# Allegro board 20250806_UNOQ.brd (continued)
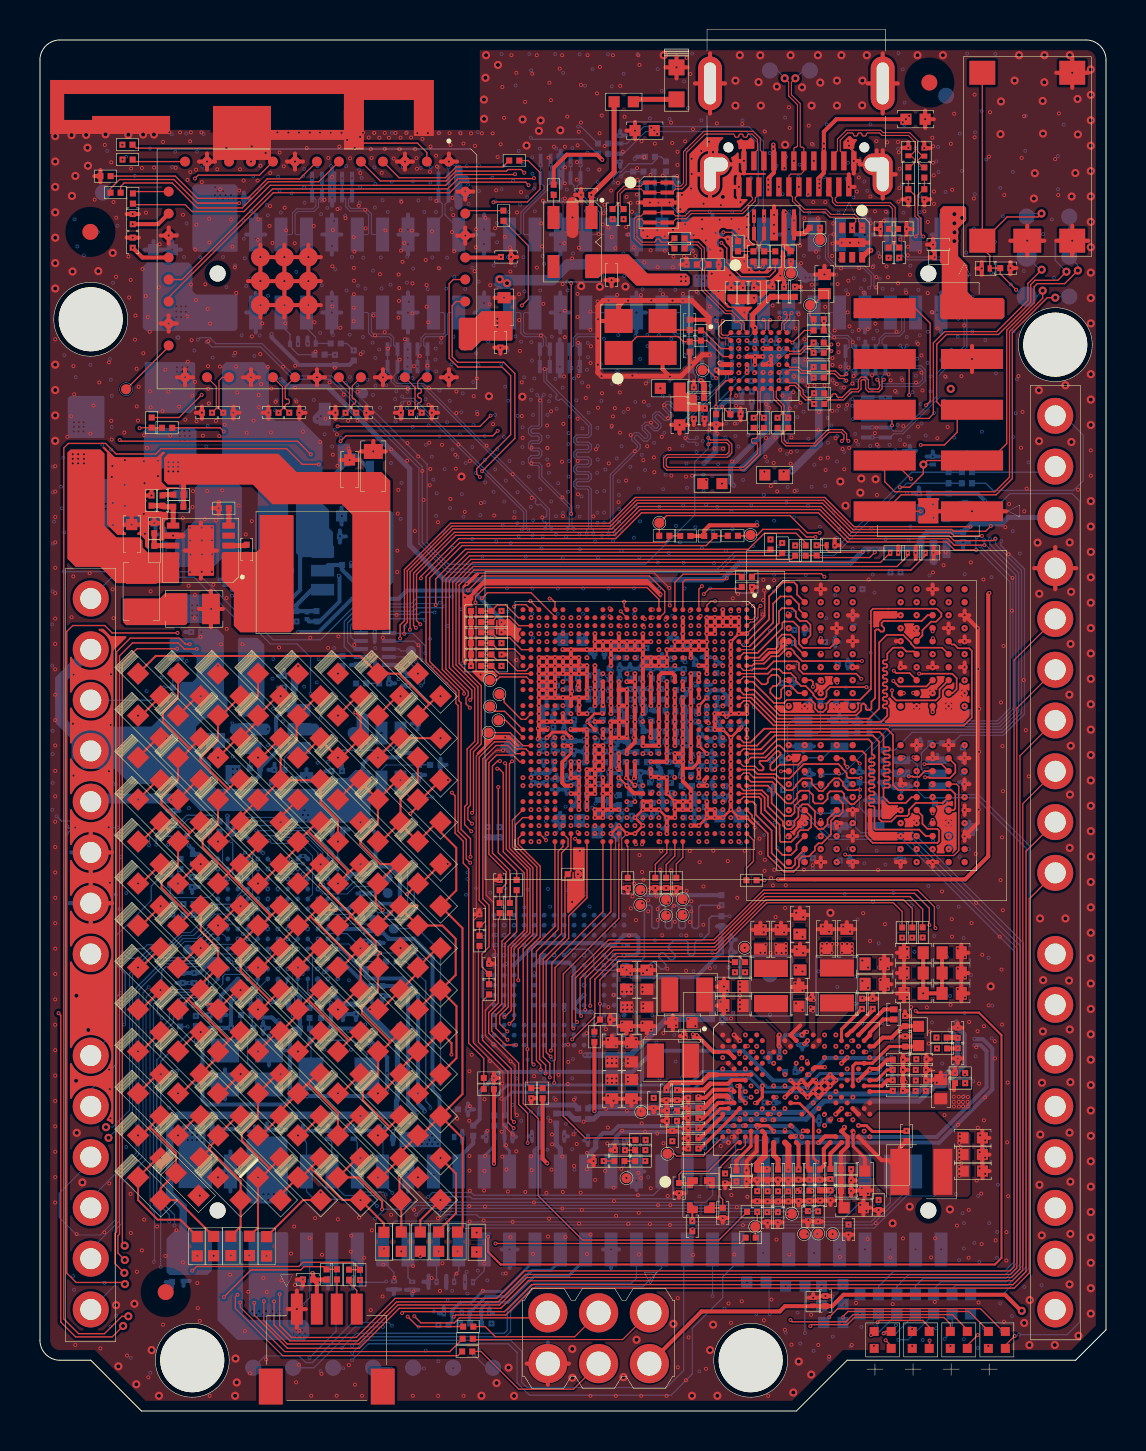
[diagram p0: board, top side]
## Routing (per net, layer and track width the routed paths; a pad name or vN(x,y) marks a point on that pad's centre or on a via; arc(x,y) is an arc through that point)
5V_BUCK_BOOT: length 0.9
  TOP w0.254: U2803.4 10.3,43.29 C2813.2
5V_BUCK_EN: length 1.6
  TOP w0.254: U2803.9 5.74,43.29 R2811.2 5.72,43.27 R2812.1
5V_BUCK_FB: length 2.1
  TOP w0.254: R2815.1 C2814.2 6.19,45.23 R2814.2 6.67,44.3 U2803.7
5V_BUCK_FB_C: length 0.6
  TOP w0.254: R2816.2 6.18,45.84 C2814.1
5V_BUCK_OUT: length 1.5
  TOP w0.254: R2814.1 7.18,45.24 R2816.1 7.18,46.74
  vias: v1(6.43,47.46) v1(6.43,47.23) v1(6.43,47) v1(6.67,47.46) v1(6.67,47.23) v1(6.67,47) v1(6.91,47.46) v1(6.91,47.23) v1(6.91,47) v2(6.43,47.46) v2(6.43,47.23) v2(6.43,47) v2(6.67,47.46) v2(6.67,47.23) v2(6.67,47) v2(6.91,47.46) v2(6.91,47.23) v2(6.91,47) v3(7.04,48.15) v3(7.04,47.77) v3(7.42,48.15) v3(7.42,47.77) v4(6.99,49.02) v4(7,48.78) v4(7,48.52) v4(7.23,49.02) v4(7.24,48.78) v4(7.24,48.52) v4(7.48,49.01) v4(7.49,48.77) v4(7.49,48.51) v5(6.99,49.02) v5(7,48.78) v5(7,48.52) v5(7.23,49.02) v5(7.24,48.78) v5(7.24,48.52) v5(7.48,49.01) v5(7.49,48.77) v5(7.49,48.51)
5V_BUCK_RT: length 0.9
  TOP w0.254: U2803.6 9.45,44.3 R2813.1
5V_BUCK_VIN:
  vias: v1(1.64,47.86) v1(1.64,47.63) v1(1.64,47.4) v1(1.91,47.86) v1(1.91,47.63) v1(1.91,47.4) v1(2.2,47.86) v1(2.2,47.63) v1(2.2,47.4) v2(1.64,47.86) v2(1.64,47.63) v2(1.64,47.4) v2(1.91,47.86) v2(1.91,47.63) v2(1.91,47.4) v2(2.2,47.86) v2(2.2,47.63) v2(2.2,47.4) v3(1.71,48.65) v3(1.71,48.25) v3(2.11,48.65) v3(2.11,48.25) v4(1.7,49.46) v4(1.7,49.23) v4(1.69,49) v4(1.94,49.46) v4(1.94,49.23) v4(1.93,49) v4(2.18,49.46) v4(2.18,49.23) v4(2.17,49) v5(1.7,49.46) v5(1.7,49.23) v5(1.69,49) v5(1.94,49.46) v5(1.94,49.23) v5(1.93,49) v5(2.18,49.46) v5(2.18,49.23) v5(2.17,49)
5V_SYS: length 3.6
  BOTTOM w0.2: 12.19,40.04 12.19,40.24 13.02,41.07 13.02,43.01 13.19,43.18
5V_USB_VBUS: length 107.5
  TOP w0.203: v2(39.22,63.14) v2(39.22,63.4) 39.22,63.99 39.85,64.62 v2(43.33,64.62) ; v2(39.22,63.13) JUSB1.B9 ; v2(39.22,63.14) 39.22,61.93 38.97,61.68 38.97,61.63 v2(39,61.6) 38.97,61.57 JUSB1.A4 ; JSPI1.2 33.1,4.98 37.01,4.98 37.28,5.25 38.67,5.25 ; 38.67,5.25 C2611.1 39.64,5.25 40.21,5.82 48.29,5.82 49.09,5.01 v6(49.12,5.01) ; 38.67,5.25 D26017.2 ; JUSB1.A9 36.47,61.69 36.72,61.94 JUSB1.B4 36.72,63.1 v2(36.7,63.13) v2(36.7,63.34)
  TOP w0.254: U2604.6 41.48,58.06 v2(41.58,58.06)
  S3 w0.304: v2(43.33,64.62) 43.54,64.62 43.56,64.59
  S3 w0.5: v2(41.58,58.06) 41.58,58.15 43.56,60.13 43.56,64.59
  V4 w0.203: 3.59,30.48 JANALOG1.5 2.54,31.53
  S6 w0.254: v6(49.12,5.01) 48.44,5.7 48.44,14.05
  S6 w1: 48.44,14.05 48.44,39.77 48.94,40.27 48.94,51.03 48.44,51.53 48.44,61.03 44.85,64.62 v3(44.22,64.62)
  BOTTOM w0.203: 6.69,30.63 6.68,30.62 C2617.1
  BOTTOM w0.5: 6.69,30.63 v5(5.97,30.63) 2.69,30.63 JANALOG1.5
  vias: v1(30.59,64.2) v1(30.74,64.05) v1(30.88,63.88) v1(36.44,61.59) v1(36.44,61.34) v1(36.44,61.09) v1(39,61.4) v1(39,61.19) v1(43.17,64.46) v1(43.49,64.78) v2(30.59,64.2) v2(30.74,64.05) v2(30.88,63.88) v2(36.44,61.59) v2(36.44,61.34) v2(36.44,61.09) v2(39,61.4) v2(39,61.19) v2(43.17,64.46) v2(43.49,64.78) v3(5.71,9.83) v3(5.72,9.3) v3(5.72,8.94) v3(5.77,46.26) v3(5.77,45.84) v3(5.96,9.57) v3(15.24,43.87) v3(15.24,43.43) v3(15.24,43.03) v3(31.08,66.15) v3(31.23,66.52) v3(31.48,66.16) v3(44.01,64.32) v3(44.37,64.3) v4(5.63,8.67) v4(5.84,8.67) v4(5.77,8.47) v4(6,8.47) v4(6.06,8.67) v4(6.23,8.47) v4(6.31,8.67) v4(6.55,8.67) v4(6.47,8.47) v4(6.72,8.47) v4(6.85,52.21) v4(6.85,51.99) v4(6.85,51.78) v4(7.12,52.21) v4(7.12,51.99) v4(7.12,51.78) v4(7.37,52.21) v4(7.37,51.99) v4(7.37,51.78) v5(6.85,52.21) v5(6.85,51.99) v5(6.85,51.78) v5(7.12,52.21) v5(7.12,51.99) v5(7.12,51.78) v5(7.37,52.21) v5(7.37,51.99) v5(7.37,51.78) v5(10.92,10.84) v5(10.91,10.56) v5(11.18,10.84) v5(11.17,10.56) v5(11.44,10.84) v5(11.43,10.56) v5(11.71,10.84) v5(11.7,10.56) v5(11.98,10.84) v5(11.97,10.56)
5V_USB_VBUS_ON_N: length 3.1
  BOTTOM w0.203: Q2802.3 15.77,47.81 Q2801.1 15.2,47.3 R2809.2
AVDD1P0V: length 16.1
  TOP w0.203: v2(36.17,53.14) 36.57,53.14 U3001.C6
  TOP w0.254: U3001.A4 v2(35.77,54.18) 35.66,54.29 35.66,54.84 36.56,55.73 C3012.1 36.65,55.73 C3011.1 37.24,55.73 C3010.1
  S3 w0.203: v3(35.84,52.4) 35.84,52.37 36.2,52.02 v2(36.2,51.97) ; v3(35.99,53.93) 35.99,53.96 v2(35.77,54.18) ; v2(36.25,46.99) 36,47.24 v3(35.93,47.24) ; v2(36.17,53.14) v3(36.47,53.14)
  V4 w0.203: v3(35.84,52.4) 36.32,51.92 36.88,51.92 ; 36.88,53.01 36.75,53.14 v3(36.47,53.14)
  V4 w0.524: v3(35.93,47.24) 36.9,47.24 38.38,48.72 38.38,49.78 36.88,51.28 36.88,53.01
  V5 w0.524: v3(35.99,53.93) 35.99,53.62 v3(36.47,53.14)
AVDD1P8V: length 30.5
  TOP w0.203: v2(35.37,51.94) v2(35.37,52.17) U3001.E3 ; v2(28.13,62.59) 27.88,62.84 26.36,62.84 25.7,62.18 R3024.1
  S3 w0.203: v2(33.34,46.58) 33.48,46.72 v3(33.48,47.12) ; v3(35.37,51.64) v2(35.37,51.94) v2(35.37,52.17) ; v3(28.33,62.36) 28.33,62.39 v2(28.13,62.59)
  V4 w0.524: v3(33.48,47.12) 33.91,47.55 33.91,52.06 32.7,53.27 32.7,54.99 31.02,56.67 31.02,61.54 30.2,62.36 v3(28.33,62.36)
  S6 w0.203: v3(35.37,51.64) 35.37,51.18 35.18,50.99 v5(35.05,50.99)
  S6 w0.254: v3(33.48,47.12) 33.48,47.14 v5(33.22,47.4)
  BOTTOM w0.203: C3007.1 34.64,50.48 C3008.1 C3009.1 v5(35.05,50.99)
  BOTTOM w0.254: v5(33.22,47.4) 33.81,47.98 33.81,50 34.35,50.54 C3007.1
AVDD3P0V: length 8.5
  TOP w0.203: C3001.1 35.16,55.68 C3002.1 35.72,55.68 v2(35.73,55.68)
  S3 w0.203: v2(35.74,53.19) 35.74,53.04 35.84,52.93 v3(35.84,52.91) ; v3(36.01,56.01) 35.99,55.99 35.99,55.95 v2(35.73,55.68) 35.73,55.08 v3(35.64,54.99)
  S6 w0.203: v3(35.64,54.99) 35.36,54.71 35.36,53.39 v3(35.84,52.91) ; v3(36.01,56.01) 36.2,56.2 v5(36.2,56.29)
  BOTTOM w0.5: v5(33.17,56.52) 35.97,56.52 v5(36.2,56.29)
  vias: v1(32.08,56.74) v1(32.08,56.52) v1(32.31,56.74) v1(32.31,56.52) v2(32.08,56.74) v2(32.08,56.52) v2(32.31,56.74) v2(32.31,56.52) v3(32.59,56.67) v3(32.87,56.44) v4(32.87,56.72) v4(33.1,56.72) v4(33.35,56.67) v4(35.97,56.29) v4(36.3,56.08) v5(32.87,56.72) v5(33.1,56.72) v5(33.35,56.67) v5(35.97,56.29) v5(36.3,56.08)
DVDD1P0V: length 1.5
  TOP w0.203: U3001.E5 36.37,52.34 36.45,52.43 v2(36.47,52.43) 36.56,52.34 U3001.E6 36.58,52.34 36.58,52.74 v2(36.57,52.74)
  S3 w0.203: v2(36.57,52.74) 36.46,52.63 v3(36.27,52.63) v2(36.47,52.43)
  vias: v4(37.11,51.77) v4(37.11,51.54) v5(37.11,51.77) v5(37.11,51.54)
DVDD1P8V: length 17.8
  TOP w0.203: v2(39.23,54.52) 39.22,54.51 R3025.1 ; v2(35.89,44.3) 33.5,44.3 33.24,44.04 R3027.1 R3026.1
  S3 w0.203: v3(39.21,54.24) 39.21,54.29 39.23,54.31 v2(39.23,54.52) ; v2(35.89,44.3) 35.89,45.46 v3(35.45,45.91) ; v2(35.74,51.92) 35.92,51.74 v3(35.92,51.61)
  S6 w0.203: v5(34.71,46.3) 35.1,45.91 v3(35.45,45.91)
  S6 w0.254: v5(37.24,53.16) 37.26,53.19 37.72,53.19 38.77,54.24 v3(39.21,54.24)
  BOTTOM w0.203: 36.85,52.78 C3015.1 ; 36.85,52.78 v5(37.24,53.16) ; 36.85,52.78 36.14,52.07 v5(36.14,51.21)
  BOTTOM w0.254: R3012.2 36.39,49.1 34.56,47.27 34.56,46.45 v5(34.71,46.3)
  vias: v4(36.42,51.21) v5(36.42,51.21)
GND: length 1201.3
  TOP w0.051: v1(31.05,40.85) 30.32,41.58 22.3,41.58 21.42,40.7 v1(21.26,40.7) ; 29.11,28.04 29.11,28.62 v1(29.37,28.88) ; v2(23.86,14.8) 23.77,14.89 23.77,17.29 22.28,18.78 22.28,20.05 22.78,20.55 22.78,23.04 22.69,23.13 22.69,25.44 22.32,25.81 22.32,32.55 22.82,33.05 v1(23.17,33.05) ; v1(28.57,28.88) 28.8,28.65 28.8,28.07 ; v2(23.66,13.82) 23.16,14.32 23.16,16.95 21.69,18.42 21.69,24.54 v1(21.99,24.84) 21.83,25 21.83,32.76 22.77,33.7 v1(23.28,33.7) ; v1(31.49,41.17) 30.75,41.91 21.88,41.91 v1(21.35,41.38)
  TOP w0.064: v1(35.37,38.88) SOC1.A4 36.26,39.78 36.26,41.05 ; v2(38.83,16.55) 38.69,16.55 PMIC1.J17 ; v2(36.4,11.34) 36.42,11.34 36.42,11.37 36.45,11.37 36.45,11.35 36.46,11.37 36.46,11.52 C823.2
  TOP w0.084: v2(43.16,31.29) 43.13,31.29 DRAM1.T8
  TOP w0.1: v2(40.72,62.53) 40.72,62.99 40.46,63.25 ; SOC1.T22 SOC1.R23
  TOP w0.125: v1(34.57,38.48) v1(34.97,38.88) ; 35.7,29.35 35.37,29.68 v1(35.37,29.68) ; v1(32.97,29.28) v2(33.37,29.68) ; v1(33.37,38.08) v1(33.37,38.48) v1(33.37,38.88) ; v2(30.97,30.08) SOC1.M26 31.37,29.68 ; v2(30.17,30.08) v2(29.77,29.68) v2(30.17,29.28) v1(29.77,28.88) v1(29.37,28.88) 29.37,28.88 v2(28.97,29.28) v1(28.57,28.88) ; v2(31.37,37.68) v2(31.37,38.08) ; v1(35.37,33.68) v1(35.37,34.08) ; v2(31.77,30.48) 31.37,30.88 ; v1(34.17,34.08) v1(34.57,33.68) 34.97,34.08 ; v2(31.77,38.08) v1(31.77,38.48) ; v1(34.97,29.68) v1(34.57,30.08) v1(34.17,29.68) ; v1(32.17,38.48) v2(32.17,38.08) ; v2(32.57,38.08) v1(32.57,38.48)
  TOP w0.15: v1(34.57,34.88) 34.52,34.88 v2(34.36,34.72) 34.36,34.72 34.33,34.72 v1(34.17,34.88) ; SOC1.G11 32.97,36.08 v1(32.97,35.68) ; 34.97,34.08 SOC1.B16 34.98,34.08 v2(35.1,34.2) ; 32.17,32.15 32.64,32.15 32.97,32.47 32.97,32.48
  TOP w0.2: v2(30.17,37.68) v2(30.17,37.28) ; v2(30.17,37.68) v2(30.17,38.08) ; v2(30.17,37.68) v2(30.57,37.68) ; v2(30.17,37.28) v2(30.17,36.48) v1(30.17,36.08) v2(30.17,35.68) v1(30.17,35.28) v2(30.17,34.88) ; v2(30.17,37.28) v1(30.57,37.28) ; 26.97,37.28 v2(26.97,37.68) v2(26.57,37.68) ; 26.97,37.28 v2(26.57,37.28) ; 26.97,37.28 SOC1.AB8 v2(27.37,37.28) v1(27.37,36.88) ; 26.97,37.28 v2(26.97,36.88) ; v2(39.54,16.26) v2(39.82,16.55) v2(39.54,16.83) v2(39.26,16.55) ; v2(39.54,16.26) v2(39.26,15.98) ; v2(39.54,16.26) v2(39.26,16.55) ; v2(37.84,16.26) PMIC1.J15 PMIC1.K16 PMIC1.J17 v1(38.97,16.26) ; v2(37.84,16.26) v2(38.12,15.98) v2(38.41,15.7) v1(38.69,15.98) ; v2(37.84,16.26) v2(37.56,16.55) ; v2(37.84,16.26) v2(37.56,15.98) v1(37.28,15.7) ; SOC1.T22 v2(29.37,32.48) ; v2(28.97,38.48) v1(28.97,38.88) ; v2(28.97,38.48) v2(28.57,38.48) ; v2(28.97,38.48) v2(29.37,38.48) ; v2(28.97,38.48) v2(28.97,38.08) ; v2(28.57,31.28) v2(28.57,30.88) ; v2(28.57,31.28) v2(28.57,32.08) v2(28.57,32.88) v1(28.57,33.28) SOC1.V17 ; v2(28.57,31.28) v1(28.17,31.28) ; v2(28.57,30.88) v2(28.17,30.88) ; v2(28.57,30.88) v2(28.57,30.08) ; v1(28.17,31.28) v2(28.17,31.68) ; v1(28.17,31.28) v2(28.17,30.88) ; v1(33.77,29.68) v1(34.17,29.68) ; v1(33.77,29.68) v2(33.37,29.68) v2(33.37,30.08) ; v1(33.77,29.68) v1(33.77,30.08) v2(33.37,30.08) ; v2(25.37,36.08) v2(25.37,36.48) ; v2(25.37,36.08) v2(25.77,36.08) ; v2(25.37,36.08) v2(24.97,36.08) ; v2(25.37,36.08) v2(25.37,35.68) ; v2(25.37,36.48) v2(25.37,36.88) ; v2(25.37,36.48) v2(25.77,36.48) ; v2(25.37,36.48) v2(24.97,36.48) ; v2(25.77,36.88) v2(25.37,36.88) ; v2(25.77,36.88) v2(25.77,36.48) ; v2(25.77,36.88) v2(26.17,36.88) ; v2(25.77,36.88) v2(25.77,37.28) ; v2(25.37,36.88) v2(24.97,36.88) ; v2(25.37,36.88) v2(25.37,37.28) ; v2(29.37,34.48) 28.97,34.48 ; v2(29.37,34.48) v2(29.37,35.28) ; v2(29.37,34.48) SOC1.T17 28.97,33.68 ; 28.97,34.48 v2(28.97,35.28) ; 28.97,34.48 SOC1.V15 v1(28.57,34.08) SOC1.V17 ; 28.97,34.48 28.97,33.68 ; v1(27.37,36.88) v2(26.97,36.88) ; v1(27.37,36.88) SOC1.AA11 v2(27.37,35.68) SOC1.AB12 v2(26.97,35.68) ; v2(26.97,36.88) v2(26.57,36.88) ; v2(32.97,38.08) v1(32.97,38.48) ; v2(32.97,38.08) v1(33.37,38.08) v2(33.37,37.68) v2(33.37,37.28) ; v2(32.97,38.08) v2(32.57,38.08) ; v1(32.97,38.48) v1(32.57,38.48) v1(32.17,38.48) ; v1(32.97,38.48) v1(33.37,38.48) ; v1(38.69,15.98) PMIC1.M18 v2(39.26,15.98) ; v1(38.69,15.98) v1(38.97,16.26) ; v1(33.77,39.28) SOC1.F3 v1(33.37,39.28) ; v1(33.77,39.28) v1(33.77,38.88) v1(33.37,38.88) v1(33.37,39.28) ; v1(33.77,39.28) v1(33.77,39.68) ; v1(33.77,39.28) v2(34.17,39.28) ; v2(29.37,35.28) v2(29.37,36.08) 28.97,36.08 ; v2(29.37,35.28) SOC1.U13 v2(28.97,35.28) ; v1(35.35,12.04) 35.41,11.98 ; v1(35.35,12.04) 35.35,12.49 35.86,13 PMIC1.W7 ; v1(35.35,12.04) 35.41,11.98 ; 35.41,11.98 35.41,11.54 v1(35.35,11.48) ; v2(25.77,37.68) v2(25.77,37.28) ; v2(25.77,37.68) v1(25.37,37.68) ; v2(25.77,37.68) v2(26.17,37.68) ; v2(25.77,37.28) v2(25.37,37.28) ; v2(25.77,37.28) v2(26.17,37.28) ; 26.17,38.08 v2(26.57,38.08) ; v2(26.57,38.08) v2(26.57,37.68) ; v2(26.57,38.08) v2(27.37,38.08) v2(27.77,38.08) ; v2(26.57,37.28) v2(26.17,37.28) ; v2(26.57,37.28) v2(26.57,36.88) ; v2(26.57,37.28) v2(26.57,37.68) ; v2(26.17,37.28) v2(26.17,37.68) ; v2(26.17,37.28) v2(26.17,36.88) ; v2(29.37,38.08) v2(28.97,38.08) ; v2(29.37,38.08) v2(29.77,38.08) ; v2(29.37,38.08) v2(29.37,38.48) ; v2(28.97,38.08) v2(28.57,38.08) ; v2(26.57,37.68) v2(26.17,37.68) ; v1(38.97,16.26) v2(39.26,15.98) ; v1(38.97,16.26) v2(39.26,16.55) ; SOC1.AC16 v2(27.37,34.08) v1(27.37,33.68) v2(27.37,33.28) v2(27.37,32.88) SOC1.AA20 ; v1(32.17,38.48) v1(31.77,38.48) ; v1(32.17,38.48) v1(32.17,38.88) v1(32.17,39.28) v1(32.17,39.68) ; v1(30.97,37.68) SOC1.M7 v2(31.37,37.68) 31.37,37.28 SOC1.M8 v2(30.97,37.28) ; v1(30.97,37.68) v2(30.57,37.68) ; v1(30.97,37.68) v2(30.97,37.28) ; v1(30.57,37.28) v2(30.57,37.68) ; v1(30.57,37.28) v2(30.97,37.28) ; v2(28.97,35.28) 28.97,36.08 ; v2(24.97,37.28) SOC1.AG8 v2(25.37,37.28) ; v2(24.97,37.28) 24.97,37.68 v1(24.97,37.68) v1(25.37,37.68) ; v2(24.97,37.28) v2(24.97,36.88) ; v2(28.17,38.48) v2(27.77,38.48) ; v2(28.17,38.48) v2(28.57,38.48) ; v2(28.17,38.48) v2(28.17,38.08) ; v2(27.77,38.48) v1(27.77,38.88) ; v2(27.77,38.48) v2(27.77,38.08) ; v2(25.77,36.48) v2(25.77,36.08) ; v2(30.57,30.4) v1(30.57,30.08) ; v1(30.57,30.08) v2(30.17,30.08) 30.17,30.48 SOC1.N25 ; v1(30.57,30.08) v2(30.97,30.08) ; v1(33.37,39.28) v1(33.37,39.68) SOC1.F2 v1(33.77,39.68) ; v2(27.37,34.88) v1(26.97,34.88) v2(26.97,35.68) ; v1(34.57,33.68) v1(34.57,33.28) v1(34.57,32.88) v1(34.57,32.48) v1(34.57,32.08) v1(34.57,31.68) v1(34.57,31.28) v1(34.57,30.88) v1(34.57,30.48) v1(34.57,30.08) ; v2(32.17,32.48) v2(32.17,31.68) 32.17,31.5 32.57,31.1 v1(32.57,30.88) SOC1.H25 ; v2(32.17,32.48) v1(32.17,32.88) ; v2(32.17,32.48) v2(31.77,32.48) v2(31.77,32.88) v1(32.17,32.88) ; v2(29.77,38.08) v2(29.77,38.48) ; v2(29.77,38.08) v2(30.17,38.08) ; v1(31.77,30.08) v2(31.77,30.48) v2(32.17,30.48) ; v1(31.77,30.08) v2(31.77,29.68) 31.37,29.68 v1(31.37,29.28) v1(31.37,28.88) ; v1(31.77,30.08) v2(32.17,30.08) ; v2(26.97,30.88) v2(26.97,31.28) v2(26.97,31.68) v2(26.57,31.68) v2(26.57,32.08) v2(26.57,32.48) ; v2(26.97,30.88) v2(26.97,30.48) v2(26.97,30.08) ; v2(26.97,30.88) v2(26.57,30.88) ; v2(28.57,38.08) v2(28.17,38.08) ; v2(28.57,38.08) v2(28.57,38.48) ; v2(28.57,38.08) v2(28.57,37.68) v2(28.57,37.28) ; v1(34.97,39.28) v1(34.57,39.28) ; v1(34.97,39.28) v1(34.97,38.88) v1(35.37,38.88) ; v1(34.97,39.28) 34.97,39.68 v2(34.57,39.68) ; v1(34.57,39.28) v2(34.57,39.68) ; v1(34.57,39.28) v2(34.17,39.28) ; v2(40.11,17.39) v2(40.39,17.68) ; v2(33.37,30.08) v2(33.37,30.48) ; v2(34.17,39.68) v1(34.17,40.08) ; v2(34.17,39.68) v2(34.17,39.28) ; v2(34.17,39.68) v1(33.77,39.68) ; v2(34.17,39.68) v2(34.57,39.68) ; SOC1.H25 v2(32.17,30.48) ; SOC1.H25 v1(32.57,30.08) v2(32.17,30.08) ; v2(32.17,30.48) v2(32.17,30.08) ; v2(28.17,30.88) v2(28.17,30.08) ; v2(24.97,36.08) v2(24.97,36.48) ; v2(24.97,36.08) v2(24.97,35.68) ; v2(24.97,36.48) v2(24.97,36.88) ; v2(30.17,38.08) v2(30.17,38.48) ; v2(27.77,38.08) v2(28.17,38.08) ; v2(28.97,36.48) 28.97,36.08 ; 28.97,36.08 SOC1.U11 ; v2(28.17,30.08) v2(28.17,29.68) v1(27.77,29.68) v2(27.77,30.08) v2(28.17,30.08) ; v2(28.17,30.08) v2(28.57,30.08) ; v1(32.57,29.28) v1(32.97,29.28) ; v1(34.97,29.68) v1(35.37,29.68) ; v2(31.37,38.08) v2(31.77,38.08) v2(32.17,38.08) v2(32.57,38.08) ; v2(30.17,38.48) v2(29.77,38.48) ; v2(30.17,38.48) v2(30.57,38.48) ; v2(30.17,38.48) v1(30.17,38.88) ; v2(29.77,38.48) v2(29.37,38.48) ; 28.17,35.28 v2(28.17,36.08) 28.17,36.48 ; SOC1.AC12 SOC1.AC13 ; SOC1.AC12 SOC1.AC10 v2(26.57,36.88) ; SOC1.AC12 v2(26.97,35.68) ; SOC1.AC12 v2(26.17,35.68) v2(25.77,35.68) ; v1(35.37,35.28) v1(35.37,34.88) v1(34.97,34.88) v1(34.57,34.88) v1(34.57,35.28) v1(34.57,35.68) v1(34.57,36.08) v1(34.57,36.48) v1(34.57,36.88) v1(34.57,37.28) v1(34.57,37.68) v1(34.57,38.08) v1(34.57,38.48) ; v2(25.77,35.68) v2(25.37,35.68) ; v2(25.77,35.68) v2(25.77,36.08) ; v2(25.37,35.68) SOC1.AG12 v2(24.97,35.68) ; v2(30.57,32.08) 30.57,32.08 v2(30.57,31.73) 30.92,31.73 v2(30.97,31.68) 31.35,31.68 v2(31.36,31.7) 31.36,30.89 31.37,30.88 ; v2(36.99,18.24) 36.96,18.28 36.96,18.77 v2(36.99,18.81) ; v2(32.57,38.08) v1(32.57,37.68) ; v2(30.97,33.28) v1(30.97,33.68) v2(30.97,34.48) v2(30.97,35.28) v2(30.97,36.08) v2(30.97,36.48) 30.97,36.77 31.11,36.91 31.64,36.91 31.77,36.78 SOC1.K10 ; SOC1.V17 28.97,33.68 ; v2(32.17,35.68) v1(32.17,35.28) v2(32.17,34.88) v1(32.17,34.48) v2(32.17,34.08) v1(32.17,33.68) v2(32.17,33.28) v1(32.17,32.88) ; v1(25.37,37.68) v2(25.37,37.28) ; v2(24.97,34.48) v2(25.37,34.48) v2(25.77,34.48) v2(26.17,34.48) ; v2(24.97,34.48) v2(24.97,34.88) v2(24.97,35.28) v2(24.97,35.68) ; v2(24.97,34.48) 24.97,34.08 ; v2(26.17,34.88) v2(26.17,34.48) ; v2(26.17,34.48) v2(26.57,34.48) ; v2(26.57,36.88) v2(26.17,36.88) ; 24.97,33.68 24.97,34.08 ; 24.97,34.08 25.37,34.08 ; 30.17,33.28 30.17,33.68 ; v2(33.37,37.28) v1(33.37,36.88) ; v2(33.37,37.28) SOC1.G8 v1(32.97,37.28) ; PMIC1.R21 v2(40.11,15.13) ; v1(34.17,34.88) v1(33.77,34.88) v1(33.77,34.08) v1(34.17,34.08) ; v2(28.57,30.08) v1(28.97,30.08) ; v1(32.97,31.28) SOC1.G23 v1(33.37,31.28) ; v1(35.01,18.53) v1(34.73,18.81)
  TOP w0.203: 42.83,27.46 v2(43.06,27.46) ; v2(43.06,27.46) 43.3,27.46 ; v2(43.06,27.46) 43.06,27.22 ; 44.67,16.58 C607.2 45.07,16.93 ; 43.86,33.07 43.86,33.31 ; 43.86,33.31 43.86,33.54 ; 43.86,33.31 44.1,33.31 ; 43.86,33.31 43.63,33.31 ; 28.3,56.57 v2(28.6,56.57) ; v2(28.6,56.57) 28.9,56.57 ; v2(28.6,56.57) 28.6,56.26 ; v1(26.91,26.85) 26.91,27.08 ; v1(26.91,26.85) 27.14,26.85 ; v1(26.91,26.85) 26.91,26.62 ; 27.08,60.53 v1(27.08,60.83) ; v1(27.08,60.83) 27.08,61.14 ; v1(27.08,60.83) 26.77,60.83 ; 39.55,10.31 v2(39.55,10.53) ; v2(39.55,10.53) 39.78,10.53 ; v2(39.55,10.53) 39.33,10.53 ; 40.46,8.59 C610.2 ; C610.2 40.68,8.82 ; C610.2 40.23,8.82 ; 7.96,62.5 v2(8.36,62.5) ; v2(8.36,62.5) 8.36,62.9 ; v2(8.36,62.5) 8.36,62.1 ; v2(8.36,62.5) 8.76,62.5 ; 17.16,51.31 v1(17.16,51.71) ; v1(17.16,51.71) 16.76,51.71 ; v1(17.16,51.71) 17.16,52.11 ; v1(17.16,51.71) 17.56,51.71 ; 43.63,35.26 DRAM1.K9 ; DRAM1.K9 44.1,35.26 ; DRAM1.K9 43.86,35.02 ; 32.05,57.35 v2(32.36,57.35) 32.36,57.65 ; C1804.2 37.48,24.07 ; C1804.2 37.08,24.42 ; C1804.2 36.68,24.07 ; 32.44,14.94 C819.2 32.21,15.16 ; 45.46,33.31 45.7,33.31 ; 45.46,33.31 45.23,33.31 ; 45.46,33.31 45.46,33.07 ; 45.46,33.31 45.46,33.54 ; C1011.2 29.01,18.42 ; C1011.2 28.21,18.42 ; C1011.2 28.61,18.78 ; 11.43,49.63 v2(11.43,49.94) ; v2(11.43,49.94) 11.13,49.94 ; v2(11.43,49.94) 11.43,50.24 ; 21.28,58.4 v1(21.28,58.8) ; v1(21.28,58.8) 20.88,58.8 ; v1(21.28,58.8) 21.68,58.8 ; v1(21.28,58.8) 21.28,59.2 ; 44.43,41.11 v2(44.66,41.11) ; v2(44.66,41.11) 44.66,41.34 ; v2(44.66,41.11) 44.9,41.11 ; v2(44.66,41.11) 44.66,40.87 ; 10.16,51.71 v1(10.56,51.71) ; v1(10.56,51.71) 10.56,52.11 ; v1(10.56,51.71) 10.56,51.31 ; v1(10.56,51.71) 10.96,51.71 ; 45.79,17.14 R604.2 45.56,16.91 ; v1(44.66,32.66) 44.9,32.66 ; v1(44.66,32.66) 44.66,32.89 ; v1(44.66,32.66) 44.43,32.66 ; 32,48.9 v2(32,49.33) ; v2(32,49.33) 31.57,49.33 ; v2(32,49.33) 32.44,49.33 ; 45.23,39.16 v2(45.46,39.16) ; v2(45.46,39.16) 45.46,38.92 ; v2(45.46,39.16) 45.7,39.16 ; v2(45.46,39.16) 45.46,39.39 ; 32.21,13.64 v1(32.44,13.64) ; v1(32.44,13.64) 32.44,13.41 ; v1(32.44,13.64) 32.44,13.87 ; 31.98,10.67 v2(31.98,10.9) ; v2(31.98,10.9) 32.21,10.9 ; v2(31.98,10.9) 31.75,10.9 ; C1706.2 39.74,24.1 ; C1706.2 38.94,24.1 ; C1706.2 39.34,24.46 ; 21.28,60.6 v1(21.28,61) ; v1(21.28,61) 21.68,61 ; v1(21.28,61) 20.88,61 ; v1(27.7,12.5) 27.7,12.73 ; v1(27.7,12.5) 27.7,12.27 ; v1(27.7,12.5) 27.47,12.5 ; v2(46.26,28.76) 46.26,28.99 ; v2(46.26,28.76) 46.26,28.52 ; v2(46.26,28.76) 46.92,29.41 v1(46.92,39.15) v2(46.26,39.81) ; v2(46.26,28.76) 46.5,28.76 ; v2(40.66,39.81) 40.66,40.04 ; v2(40.66,39.81) 40.9,39.81 ; v2(40.66,39.81) 40.43,39.81 ; v2(40.66,39.81) 40.66,39.57 ; v2(31.37,14.51) 31.37,14.74 ; v2(31.37,14.51) 31.37,14.29 ; v2(31.37,14.51) 31.14,14.51 ; v1(31.84,26.16) 32.07,26.16 ; v1(31.84,26.16) 31.84,25.94 ; v1(31.84,26.16) 31.61,26.16 ; C1010.2 29.01,15.62 ; C1010.2 28.21,15.62 ; C1010.2 28.61,15.27 ; 43.86,38.92 v2(43.86,39.16) 43.63,39.16 ; 32.97,32.88 32.97,32.48 SOC1.G20 ; 28.95,19.25 C1005.2 ; C1005.2 29.75,19.25 ; C1005.2 29.35,18.9 ; 44.38,58.35 v1(44.69,58.35) ; v1(44.69,58.35) 44.69,58.65 ; v1(44.69,58.35) 44.69,58.04 ; v2(7.26,51.71) 7.66,51.71 ; v2(7.26,51.71) 7.26,51.31 ; v2(7.26,51.71) 6.86,51.71 ; v2(7.26,51.71) 7.26,52.11 ; 37.62,21.21 37.97,21.21 ; 37.97,21.21 37.97,21.56 ; 37.97,21.21 38.33,21.21 ; 47.12,56.84 v2(47.12,57.15) ; v2(47.12,57.15) 46.86,57.15 ; v2(47.12,57.15) 47.12,57.46 ; v1(44.33,17.06) 44.33,17.29 ; v1(44.33,17.06) 44.56,17.06 ; v1(44.33,17.06) 44.33,16.84 ; v1(40.66,30.06) 40.9,30.06 ; v1(40.66,30.06) 40.66,29.82 ; v1(40.66,30.06) 40.43,30.06 ; 39.76,43.61 v2(39.76,43.3) 40.02,43.3 ; 22.71,16.43 v1(22.71,16.66) ; v1(22.71,16.66) 22.94,16.66 ; v1(22.71,16.66) 22.71,16.89 ; v1(6.44,54.4) 6.84,54.4 ; v1(6.44,54.4) 6.04,54.4 ; v1(6.44,54.4) 6.44,54 ; v1(6.44,54.4) 6.44,54.8 ; 36.69,9.44 v2(36.92,9.44) ; v2(36.92,9.44) 37.15,9.44 ; v2(36.92,9.44) 36.92,9.21 ; v2(46.26,32.66) 46.5,32.66 ; v2(46.26,32.66) 46.03,32.66 ; v2(46.26,32.66) 46.26,32.89 ; v2(46.26,32.66) 46.26,32.42 ; v2(40.59,11.53) 40.82,11.53 ; v2(40.59,11.53) 40.59,11.76 ; v2(40.59,11.53) 40.59,11.3 ; v1(13.43,56.52) 14.05,56.52 ; v1(13.43,56.52) v2(13.43,55.32) ; v1(13.43,56.52) v2(13.43,57.72) ; v1(13.43,56.52) v2(12.23,56.52) ; 46.26,31.12 v2(46.26,31.36) ; v2(46.26,31.36) 46.5,31.36 ; v2(46.26,31.36) 46.26,31.59 ; 33.94,9.65 v2(34.16,9.65) ; v2(34.16,9.65) 34.16,9.42 ; v2(34.16,9.65) 34.39,9.65 ; v2(49.4,58.54) 49.4,59.29 ; v2(49.4,58.54) 48.55,58.54 ; v2(49.4,58.54) 50.25,58.54 ; v2(49.4,58.54) 49.4,57.79 ; v2(46.26,38.51) 46.26,38.74 ; v2(46.26,38.51) 46.5,38.51 ; v2(46.26,38.51) 46.03,38.51 ; 39.84,58.45 U2604.7 41.44,58.45 ; 46.1,22.52 C709.2 ; C709.2 46.45,22.92 ; C709.2 46.1,23.32 ; 8.05,41.64 U2803.13 ; U2803.13 7.25,43.04 ; U2803.13 8.85,43.04 ; U2803.13 8.05,44.44 ; v1(37.96,10.51) 38.18,10.51 ; v1(37.96,10.51) 37.96,10.28 ; v1(37.96,10.51) 37.73,10.51 ; 33.48,54.69 33.38,54.58 C3022.2 ; C809.2 42.6,22.36 ; C809.2 42.24,22.76 ; C809.2 42.24,21.97 ; 34.68,62.36 JUSB1.S4 33.83,63.06 ; 43.52,18.74 v1(43.29,18.74) 43.06,18.74 ; 38.8,10.53 v2(39.03,10.53) 39.25,10.53 ; 43.3,28.76 v2(43.06,28.76) 42.83,28.76 ; 39.07,5.75 v1(39.3,5.75) 39.53,5.75 ; 36.93,11.35 v1(36.93,11.57) ; v1(36.93,11.57) v1(37.45,11.57) ; v1(36.93,11.57) 36.7,11.57 ; DRAM1.K11 45.7,35.26 ; DRAM1.K11 45.23,35.26 ; DRAM1.K11 45.46,35.02 ; DRAM1.K11 45.46,35.49 ; C601.2 41.56,10.17 ; C601.2 41.2,10.52 ; C601.2 41.2,9.82 ; 4.34,58.69 v2(4.64,58.69) 4.94,58.69 ; 28.54,13.05 v1(28.77,13.05) 28.77,13.28 ; v1(33.83,49.35) 34.14,49.35 ; v1(33.83,49.35) 33.83,49.05 ; v1(33.83,49.35) 33.53,49.35 ; v2(12.76,62.5) 12.76,62.9 ; v2(12.76,62.5) 12.76,62.1 ; v2(12.76,62.5) 12.36,62.5 ; v2(12.76,62.5) 13.16,62.5 ; v2(31.85,67.21) 31.85,67.76 ; v2(31.85,67.21) 32.4,67.21 ; v2(31.85,67.21) 31.3,67.21 ; v2(31.85,67.21) 31.85,66.66 ; v2(40.66,27.46) 40.9,27.46 ; v2(40.66,27.46) 40.43,27.46 ; v2(40.66,27.46) 40.66,27.22 ; 44.71,42.62 v2(44.71,42.93) ; v2(44.71,42.93) 44.97,42.93 ; v2(44.71,42.93) 44.71,43.24 ; v1(6.44,58.8) 6.44,59.2 ; v1(6.44,58.8) 6.04,58.8 ; v1(6.44,58.8) 6.84,58.8 ; v1(6.44,58.8) 6.44,58.4 ; 29.97,22.05 v1(30.37,22.05) 30.77,22.05 ; 13.16,6.27 v1(13.16,6.58) 12.85,6.58 ; v2(30.71,15.16) 30.94,15.16 ; v2(30.71,15.16) 30.71,14.93 ; v2(30.71,15.16) 30.48,15.16 ; v2(13.43,55.32) v2(12.23,55.32) ; v2(13.43,55.32) 14.05,55.32 ; v2(13.43,55.32) 13.43,54.7 ; 39.97,24.1 C1708.2 ; C1708.2 40.37,24.46 ; C1708.2 40.77,24.1 ; 50.85,58.54 v2(51.65,58.54) ; v2(51.65,58.54) 52.45,58.54 ; v2(51.65,58.54) 51.65,59.29 ; v2(51.65,58.54) 51.65,57.79 ; v2(40.66,38.51) 40.66,38.74 ; v2(40.66,38.51) 40.9,38.51 ; v2(40.66,38.51) 40.66,38.27 ; v2(40.66,38.51) 40.43,38.51 ; v2(12.23,57.72) 12.23,58.34 ; v2(12.23,57.72) v2(12.23,56.52) ; v2(12.23,57.72) v2(13.43,57.72) ; v2(12.23,57.72) v2(11.03,57.72) ; v1(16.33,49.94) 16.64,49.94 ; v1(16.33,49.94) 16.33,49.63 ; v1(16.33,49.94) 16.33,50.24 ; v2(36.73,59.33) 36.73,60.26 ; 37.63,23.02 C811.2 ; C811.2 38.03,23.37 ; C811.2 38.43,23.02 ; 22.74,55.69 v2(23.22,55.69) 23.7,55.69 ; 39.86,29.17 v2(39.86,29.41) 40.1,29.41 ; 43.18,17.35 v2(43.18,17.58) ; v2(43.18,17.58) 43.41,17.58 ; v2(43.18,17.58) 43.18,17.8 ; JSPI1.6 26.47,2.37 ; JSPI1.6 25.41,1.32 ; JSPI1.6 24.36,2.37 ; 28.95,22.05 v1(29.35,22.05) 29.75,22.05 ; 32.72,49.33 v1(32.72,49.63) ; C504.2 41.36,20.62 ; v2(40.66,28.76) 40.66,28.99 ; v2(40.66,28.76) 40.9,28.76 ; v2(40.66,28.76) 40.43,28.76 ; v2(40.66,28.76) 40.66,28.52 ; 2.72,61.77 R2909.1 ; R2909.1 3.03,62.07 ; R2909.1 3.03,61.47 ; 44.33,16.76 v1(44.33,16.53) 44.56,16.53 ; v2(12.23,55.32) v2(11.03,55.32) ; v2(12.23,55.32) v2(12.23,56.52) ; v2(12.23,55.32) 12.23,54.7 ; JDIGITAL1.15 50.8,43.21 ; JDIGITAL1.15 51.85,42.16 ; JDIGITAL1.15 50.8,41.11 ; JDIGITAL1.15 49.75,42.16 ; v1(35.89,11.57) 36.12,11.57 ; v1(35.89,11.57) 35.66,11.57 ; v1(35.89,11.57) 35.89,11.35 ; 32.44,13.36 v2(32.44,13.13) 32.21,13.13 ; v1(43.36,59.13) 43.36,59.43 ; v1(43.36,59.13) 43.36,58.83 ; v1(43.36,59.13) 43.64,59.13 ; 8.95,44.86 v2(8.95,45.16) ; v2(8.95,45.16) 8.64,45.16 ; v2(8.95,45.16) 8.95,45.46 ; v2(44.66,37.21) 44.66,37.44 ; v2(44.66,37.21) 44.9,37.21 ; v2(44.66,37.21) 44.43,37.21 ; 43.3,31.36 DRAM1.T8 43.06,31.59 ; SOC1.F22 33.37,31.68 33.25,31.57 v2(33.25,31.5) ; 32.02,18.76 C1004.2 32.25,18.99 ; 46.03,37.21 v2(46.26,37.21) ; v2(46.26,37.21) 46.26,36.97 ; v2(46.26,37.21) 46.26,37.44 ; v1(44.29,64.62) 44.72,64.62 ; v1(44.29,64.62) 44.29,64.19 ; v1(44.29,64.62) 44.29,65.05 ; 23.57,57.42 v1(23.57,57.73) ; v1(23.57,57.73) 23.57,58.03 ; v1(23.57,57.73) 23.88,57.73 ; 31.65,15.54 v2(31.88,15.54) 32.1,15.54 ; 41.01,62.36 JUSB1.S3 41.87,63.06 ; 29.19,26.16 v1(29.41,26.16) 29.41,25.94 ; v2(31.34,15.54) 31.57,15.54 ; v2(31.34,15.54) 31.34,15.32 ; v2(31.34,15.54) 31.12,15.54 ; 13.46,51.71 v1(13.86,51.71) ; v1(13.86,51.71) 13.86,52.11 ; v1(13.86,51.71) 14.26,51.71 ; v1(13.86,51.71) 13.86,51.31 ; 46.26,29.82 v2(46.26,30.06) ; v2(46.26,30.06) 46.26,30.29 ; v2(46.26,30.06) 46.5,30.06 ; 51.65,66.19 v2(51.65,66.94) ; v2(51.65,66.94) 51.65,67.69 ; v2(51.65,66.94) 50.85,66.94 ; v2(51.65,66.94) 52.45,66.94 ; 47.16,11.65 C604.2 ; C604.2 47.16,12.35 ; C604.2 47.51,12 ; v2(12.23,56.52) v2(11.03,56.52) ; v1(18.26,62.5) 18.66,62.5 ; v1(18.26,62.5) 17.86,62.5 ; v1(18.26,62.5) 18.26,62.9 ; v1(18.26,62.5) 18.26,62.1 ; v1(16.68,48) 16.68,48.53 ; v1(16.68,48) 16.05,48 ; v1(16.68,48) 17.31,48 ; C1009.2 29.6,18.78 ; C1009.2 29.2,18.42 ; C1009.2 30,18.42 ; 33.53,60.66 JUSB1.S2 ; JUSB1.S2 33.53,63.06 ; JUSB1.S2 32.87,61.86 ; v2(11.03,57.72) 11.03,58.34 ; v2(11.03,57.72) v2(11.03,56.52) ; 42.24,20.95 C808.2 ; C808.2 42.6,21.35 ; C808.2 42.24,21.75 ; v1(36.17,52.74) v1(35.77,52.74) ; v1(35.77,52.74) 35.37,52.74 U3001.D3 ; v1(35.77,52.74) v1(35.77,52.34) ; v1(42.06,59.13) 42.06,59.43 ; v1(42.06,59.13) 42.06,58.83 ; v1(42.06,59.13) 41.78,59.13 ; DRAM1.K4 40.1,35.26 ; DRAM1.K4 39.86,35.02 ; DRAM1.K4 39.63,35.26 ; v2(30.95,60.45) 31.88,60.45 ; 23.09,39.18 v1(23.09,38.95) 23.32,38.95 ; 38.27,10.51 v2(38.5,10.51) 38.73,10.51 ; 48.34,45 JCTL1.1 44.93,45 ; 44.35,17.37 v2(44.35,17.59) ; v2(44.35,17.59) 44.58,17.59 ; v2(44.35,17.59) 44.35,17.82 ; 5.58,46.1 v1(5.58,45.79) 5.28,45.79 ; 7.8,49.94 v2(8.1,49.94) ; v2(8.1,49.94) 8.1,50.24 ; v2(8.1,49.94) 8.1,49.63 ; 46.63,51.97 JCTL1.7 46.63,53.28 ; 39.32,11.6 v1(39.55,11.6) ; v2(5.72,44.41) 5.72,44.72 ; v2(5.72,44.41) 6.02,44.41 ; v2(5.72,44.41) 5.42,44.41 ; v2(43.18,17.07) 43.41,17.07 ; v2(43.18,17.07) 43.18,16.84 ; v2(43.18,17.07) 43.18,17.29 ; v1(14.78,49.94) 14.78,50.24 ; v1(14.78,49.94) 14.78,49.63 ; v1(14.78,49.94) 14.48,49.94 ; 28.1,54.53 Y3001.4 ; 22.7,22.37 v1(22.47,22.37) 22.47,22.6 ; 46.1,21.51 C710.2 ; C710.2 46.45,21.91 ; C710.2 46.1,22.31 ; C712.2 46.1,21.29 ; C712.2 46.1,20.49 ; C712.2 46.45,20.89 ; v2(13.43,57.72) 14.05,57.72 ; v2(13.43,57.72) 13.43,58.34 ; 31.66,19.07 C1003.2 ; C1003.2 31.31,19.43 ; C1003.2 31.66,19.78 ; 42.83,39.81 v2(43.06,39.81) ; 35.35,11.81 C706.2 35.35,12.27 ; v2(39.06,35.91) 39.06,36.14 ; 23.04,52.89 v1(23.04,53.2) ; v1(23.04,53.2) 22.74,53.2 ; v1(23.04,53.2) 23.34,53.2 ; v1(37.23,56.24) 37.23,56.54 ; 9.68,49.63 v2(9.68,49.94) ; v2(9.68,49.94) 9.98,49.94 ; v2(9.68,49.94) 9.68,50.24 ; 33.96,57.65 v1(33.96,57.35) 33.96,57.05 ; 43.45,63.47 v1(43.45,63.19) 43.15,63.19 ; 12.85,4.17 v2(12.85,5.1) ; v2(12.85,5.1) 12.85,6.02 ; v2(12.85,5.1) 12.4,5.1 ; v2(12.85,5.1) 13.3,5.1 ; 38.46,5.67 v1(38.69,5.67) ; v1(38.69,5.67) 38.92,5.67 ; v1(38.69,5.67) 38.69,5.85 ; JUSB1.S6 33.53,67.91 ; JUSB1.S6 32.77,66.41 ; JUSB1.S6 34.28,66.41 ; JUSB1.S6 33.53,64.91 ; 42.17,60.66 JUSB1.S1 ; JUSB1.S1 42.17,63.06 ; JUSB1.S1 42.82,61.86 ; v2(42.94,42.93) 42.94,43.24 ; v1(37.45,11.57) 37.67,11.57 ; v1(37.45,11.57) 37.45,11.35 ; 33.25,49.33 v1(33.25,49.63) ; C1012.2 30,15.62 ; C1012.2 29.2,15.62 ; C1012.2 29.6,15.27 ; JUSB1.S5 42.92,66.41 ; JUSB1.S5 41.41,66.41 ; JUSB1.S5 42.17,64.91 ; JUSB1.S5 42.17,67.91 ; v2(41.66,20.62) 41.66,20.85 ; v2(41.66,20.62) 41.44,20.62 ; v2(41.66,20.62) 41.89,20.62 ; v1(37.46,37.21) 37.7,37.21 ; 20.06,62.5 v1(20.46,62.5) ; v1(20.46,62.5) 20.86,62.5 ; v1(20.46,62.5) 20.46,62.9 ; 30.79,25.94 v1(30.79,26.16) ; v1(30.79,26.16) 31.02,26.16 ; v1(30.79,26.16) 30.56,26.16 ; v1(4.59,44.34) 5.02,44.34 ; v1(4.59,44.34) 4.16,44.34 ; v1(4.59,44.34) 4.59,44.77 ; 8.55,39.21 v2(8.55,40.12) ; v2(8.55,40.12) 8.55,41.03 ; v2(8.55,40.12) 9.15,40.12 ; v2(8.55,40.12) 7.95,40.12 ; v2(45.46,29.41) 45.46,29.64 ; v2(45.46,29.41) 45.23,29.41 ; v2(45.46,29.41) 45.7,29.41 ; v2(45.46,29.41) 45.46,29.17 ; 38.26,35.02 DRAM1.K2 ; DRAM1.K2 38.03,35.26 ; DRAM1.K2 38.5,35.26 ; 4.94,59.87 v2(4.64,59.87) 4.34,59.87 ; 38.83,27.46 DRAM1.AB3 ; DRAM1.AB3 39.06,27.69 ; DRAM1.AB3 39.06,27.22 ; DRAM1.AB3 39.3,27.46 ; 31.41,14 C716.2 31.87,14 ; 45.69,19.17 v2(45.92,19.17) ; v2(45.92,19.17) 46.15,19.17 ; v2(45.92,19.17) 45.92,19.4 ; 41.73,10.05 v2(41.96,10.05) ; v2(41.96,10.05) 41.96,9.83 ; v2(41.96,10.05) 42.19,10.05 ; v1(34.22,21.23) 34.22,21.63 ; v1(34.22,21.23) 34.22,20.83 ; v1(34.22,21.23) 33.87,21.23 ; 35.05,49.56 v1(35.05,49.86) 35.05,50.16 ; 36.4,9.21 C717.2 ; C717.2 36.17,9.44 ; C717.2 36.63,9.44 ; v1(35.35,11.48) 35.35,11.71 ; v1(35.35,11.48) 35.58,11.48 ; v1(35.35,11.48) 35.35,11.26 ; v2(11.03,55.32) v2(11.03,56.52) ; v2(11.03,55.32) 11.03,54.7 ; 35.62,40.99 v1(35.62,41.22) 35.85,41.22 ; v1(20.46,51.71) 20.86,51.71 ; v1(20.46,51.71) 20.46,51.31 ; v1(20.46,51.71) 20.06,51.71 ; v1(20.46,51.71) 20.46,52.11 ; 46.03,39.81 v2(46.26,39.81) ; v2(46.26,39.81) 46.26,39.57 ; v2(46.26,39.81) 46.5,39.81 ; v2(46.26,39.81) 46.26,40.04 ; v2(48.55,57.17) 48.86,57.17 ; v2(48.55,57.17) 48.55,56.87 ; v2(48.55,57.17) 48.55,57.47 ; v2(34.97,61.23) 34.97,61.86 ; v2(34.97,61.23) 34.97,60.61 ; v2(34.97,61.23) 34.68,61.23 ; 43.29,19.99 v1(43.29,19.76) 43.51,19.76 ; 32.21,15.67 v2(32.44,15.67) 32.44,15.44 ; v1(34.59,56.19) 34.59,56.5 ; v1(34.59,56.19) 35.16,56.19 v1(35.17,56.19) 35.17,56.49 ; v1(34.59,56.19) 34.28,56.19 ; 43.86,29.64 v2(43.86,29.41) 43.63,29.41 ; v1(31.52,51.74) 31.15,52.11 Y3001.2 ; 17.76,49.94 v1(18.06,49.94) ; v1(18.06,49.94) 18.06,49.63 ; v1(18.06,49.94) 18.06,50.24 ; 21.76,24.84 v1(21.99,24.84) 21.99,25.07 ; 44.66,27.22 v2(44.66,27.46) ; v2(44.66,27.46) 44.43,27.46 ; v2(44.66,27.46) 44.9,27.46 ; v1(39.06,41.11) 39.06,41.34 ; v1(39.06,41.11) 38.83,41.11 ; v1(39.06,41.11) 39.06,40.87 ; v1(39.06,41.11) 39.3,41.11 ; 38.63,20.85 C1001.2 38.41,20.62 ; v2(40.66,37.21) 40.9,37.21 ; 43.23,22.52 C708.2 ; C708.2 43.23,23.32 ; C708.2 42.88,22.92 ; 31.37,14.79 v2(31.37,15.02) ; v2(31.37,15.02) 31.14,15.02 ; v2(31.37,15.02) 31.37,15.25 ; 12.98,49.63 v1(12.98,49.94) ; v1(12.98,49.94) 12.98,50.24 ; v1(12.98,49.94) 13.28,49.94 ; 45.92,17.41 v1(45.92,17.64) ; v1(45.92,17.64) 46.15,17.64 ; v1(45.92,17.64) 45.69,17.64 ; 36.4,11.35 C823.2 ; C823.2 36.63,11.57 ; C823.2 36.18,11.57 ; 24.81,15.65 v1(24.58,15.65) 24.58,15.42 ; v2(35.22,62.53) 35.22,63.16 ; v2(35.22,62.53) 35.22,61.91 ; v2(35.22,62.53) 34.93,62.53 ; 22.77,26.56 v1(23,26.56) 23,26.79 ; v1(32.59,52.32) 32.51,52.4 C3021.2 ; C806.2 34.22,20.68 ; C806.2 33.87,20.28 ; C806.2 34.22,19.88 ; C1803.2 36.44,24.07 ; C1803.2 35.64,24.07 ; C1803.2 36.04,24.42 ; v2(30.19,33.28) 30.97,33.28 v2(30.97,33.28) ; 34.9,13.93 34.97,14 PMIC1.V4 ; 29.34,64.05 v2(29.77,64.05) ; v2(29.77,64.05) 29.77,64.48 ; v2(29.77,64.05) 29.77,63.62 ; 2.54,26.89 JANALOG1.6 ; JANALOG1.6 3.59,27.94 ; JANALOG1.6 2.54,28.99 ; 40.47,61.86 v2(40.47,61.23) 40.76,61.23 ; v2(39.86,39.16) 39.86,39.39 ; v2(39.86,39.16) 39.86,38.92 ; v2(39.86,39.16) 40.1,39.16 ; v2(39.86,39.16) 39.63,39.16 ; C810.2 38.42,24.81 ; C810.2 38.02,25.17 ; C810.2 37.62,24.81 ; 31.1,26.16 v1(31.33,26.16) 31.56,26.16 ; v2(11.03,56.52) 10.41,56.52 ; 36.65,56.55 v1(36.65,56.24) 36.34,56.24 ; C606.2 47.15,14.01 ; C606.2 47.51,13.66 ; C606.2 47.15,13.31 ; 38.42,9.26 R606.2 ; R606.2 38.65,9.49 ; R606.2 38.2,9.49 ; 41.27,10.68 C608.2 ; C608.2 40.91,11.04 ; C608.2 41.62,11.04 ; 38.03,29.41 v2(38.26,29.41) 38.26,29.64 ; v1(39.25,56.85) 39.73,56.85 ; v1(39.25,56.85) 39.25,57.28 ; v1(39.25,56.85) 38.77,56.85 ; 43.23,21.51 C711.2 ; C711.2 43.23,22.31 ; C711.2 42.88,21.91 ; 43.41,16.02 v2(43.18,16.02) 43.18,16.25 ; 37.73,11.57 v1(37.96,11.57) v1(38.51,11.57) 38.73,11.57 ; 43.82,42.62 v2(43.82,42.93) 43.82,43.24 ; 44.77,58.02 v1(44.77,57.71) 44.51,57.71 ; C605.2 47.51,12.83 ; C605.2 47.15,12.47 ; C605.2 47.15,13.18 ; 36.7,10.48 v2(36.93,10.48) 37.16,10.48 ; JANALOG1.7 3.59,25.4 ; JANALOG1.7 2.54,24.35 ; JANALOG1.7 2.54,26.45 ; 42.83,38.51 v2(43.06,38.51) ; 37.22,10.48 v1(37.45,10.48) 37.67,10.48 ; 43.15,60.61 v1(43.45,60.61) 43.45,60.3 ; 42.83,30.06 v2(43.06,30.06) ; 43.18,16.31 C508.2 43.18,16.77 ; 15.06,47.57 C2816.2 ; C2816.2 15.92,47.57 ; C2816.2 15.49,48 ; v1(39.07,31.24) 39.06,31.25 DRAM1.T3 ; 40.59,10.78 v2(40.59,11.01) ; v2(40.59,11.01) 40.59,11.23 ; v2(40.59,11.01) 40.82,11.01 ; 44.25,60.3 v2(44.25,60.61) 44.55,60.61 ; v1(32.44,14.66) 32.44,14.88 ; v1(32.44,14.66) 32.21,14.66 ; v1(32.44,14.66) 32.44,14.43 ; v1(37.77,56.24) 38.07,56.24 ; 32.44,13.92 v1(32.44,14.15) ; v1(32.44,14.15) 32.44,14.37 ; v1(32.44,14.15) 32.21,14.15 ; 30.02,60.45 v2(30.51,60.45) ; 36.63,10.48 v2(36.4,10.48) 36.18,10.48 ; 30.37,18.9 C1008.2 ; C1008.2 29.97,19.25 ; C1008.2 30.77,19.25 ; 43.3,37.21 v2(43.06,37.21) 43.06,37.44 ; 19.61,49.63 v1(19.61,49.94) ; v1(19.61,49.94) 19.61,50.24 ; v1(19.61,49.94) 19.91,49.94 ; v2(28.53,19.58) 28.53,19.81 ; v2(28.53,19.58) 28.76,19.58 ; v2(28.53,19.58) 28.53,19.35 ; 44.66,36.14 v1(44.66,35.91) 44.43,35.91 ; 23.32,39.46 v1(23.09,39.46) 23.09,39.23 ; 46.26,35.67 v2(46.26,35.91) ; v2(46.26,35.91) 46.03,35.91 ; v2(46.26,35.91) 46.26,36.14 ; v2(37.19,38.37) 37.33,38.51 DRAM1.E1 ; 44.55,63.17 v2(44.25,63.17) 44.25,63.45 ; 41.01,62.53 v2(40.72,62.53) 40.72,61.91 ; 38.71,9.48 v2(38.93,9.48) 39.16,9.48 ; 36.03,56.19 v1(35.73,56.19) 35.73,56.5 ; C713.2 43.23,21.29 ; C713.2 43.23,20.49 ; C713.2 42.88,20.89 ; 40.59,11.87 v2(40.59,12.1) ; 38.8,11.57 v1(39.02,11.57) 39.25,11.57 ; 34.28,11.15 C704.2 34.51,11.38 ; v1(32.72,51.21) 32.72,51.51 ; v1(37.46,32.66) 37.7,32.66 ; 35.66,10.49 v2(35.89,10.49) 36.12,10.49 ; v1(23.09,37.84) 23.32,37.84
  TOP w0.254: v1(33.5,52.83) 33.15,52.83 32.08,51.76 v1(28.09,51.76) 27.91,51.94 v2(27.91,52.34) v2(27.91,53.65) v2(27.91,54.61) 27.91,55.27 28.19,55.55 29.21,55.55 ; 29.21,55.55 32.61,55.55 33.48,54.69 33.48,54.18 v1(33.5,54.15) ; 29.21,55.55 28.95,55.29 Y3001.4
  TOP w0.3: 7.12,43.79 v2(6.66,43.79) 6.2,43.79
  TOP w0.6: 26.65,58.97 v1(26.65,59.7) 26.65,60.43
  G2 w0.051: 35.97,51.64 35.97,52.15 v1(35.77,52.34) ; 37.26,53.34 36.8,53.34 36.73,53.26 ; 36.7,52.17 36.78,52.1 36.78,51.77 36.78,51.77 ; 36.78,52.53 36.86,52.53 36.89,52.55 37.08,52.55 37.1,52.53 37.36,52.53 37.41,52.58